# Altium PCB 1-quilter-input.PcbDoc (part 3 of 4)
Units mil, origin at the board's own origin, x right, y up, seen from the top; angles counter-clockwise.
Board outline 2728 x 2217 mil, 8 copper layers (L1_PS, L2_GND_1, L3_IN1, L4_GND_2, L5_PWR_1, L6_PWR_2, L7_GND_3, L8_SS), stack 46.1 mil thick; 230 components, 327 nets, 1592 pads, 586 vias.
Unrouted connection lines stored in the file: 713.
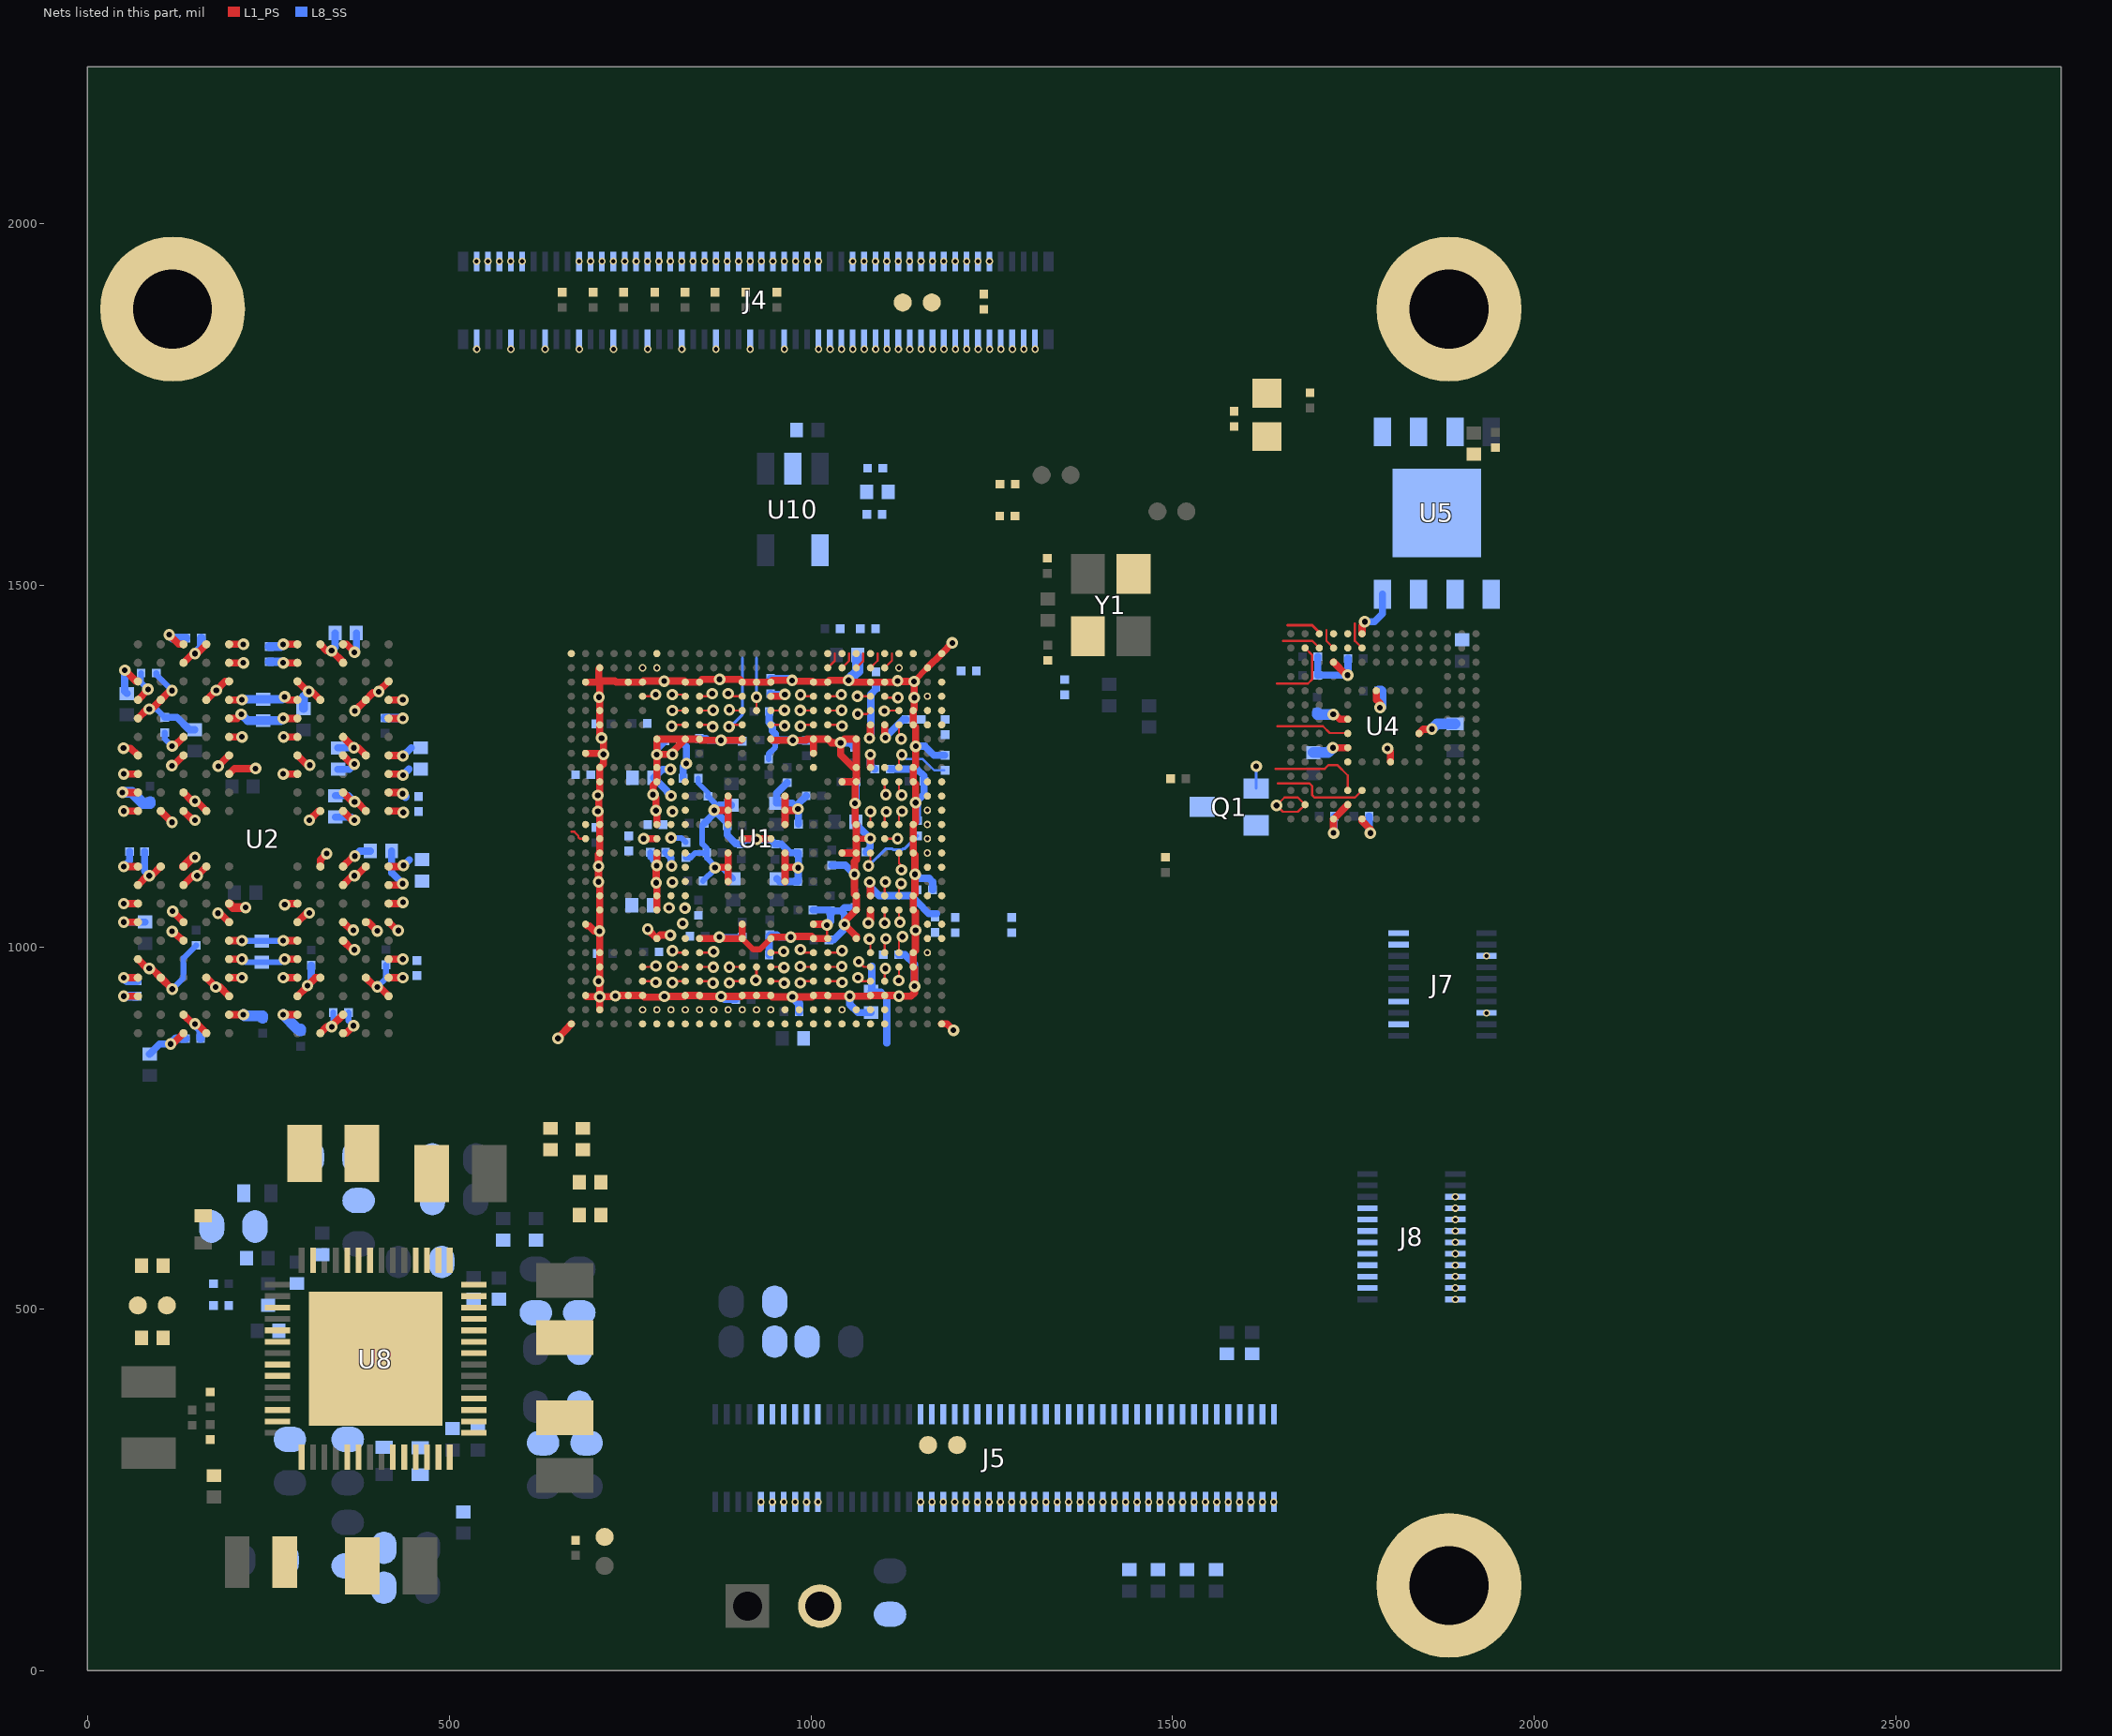
[diagram p4: the nets of this part, all layers, seen from the top]

## Via types
v1: diameter 16, hole 8, L1_PS to L8_SS, tented both sides, 329 vias
v2: diameter 10, hole 6, L1_PS to L8_SS, tented both sides, 205 vias
v3: diameter 16, hole 8, L1_PS to L8_SS, tented top, 52 vias

## Nets (pads, with @x,y where several pads share a name; then routed paths per layer and width w, separated by ;. In a path a pad name is that pad's centre, name@x,y a point inside that pad or via, vN(x,y) a via of type N, cw(c..) or ccw(c..) an arc to the next point about the centre after c; other vN are vias at no path point) (continued)
GND: BH1.1 BH2.1 BH3.1 C1.2 C2.2 C3.2 C5.2 C6.2 C8.2 C9.2 C10.2 C11.2 C12.2 C13.2 C15.2 C16.2 C17.2 C20.2 C21.2 C23.2 C30.2 C33.2 C35.2 C36.2 C48.2 C54.2 C55.2 C61.2 C65.2 C74.2 C78.2 C88.2 C89.2 C90.2 C91.2 C92.2 C93.2 C94.2 C95.2 C99.2 C100.2 C101.2 C104.2 C105.2 C106.2 C108.2 C109.2 C110.2 C111.2 C112.2 C113.2 C114.2 C115.2 C117.2 C118.2 C119.2 C123.2 C124.2 C127.2 C128.2 C129.2 C130.2 C131.2 C132.2 C133.2 C136.2 C137.2 C138.2 C139.2 C234.1 C235.2 C241.2 C244.2 C245.2 C247.2 C248.2 C251.2 C253.2 C254.2 C255.2 C256.2 C260.2 C264.2 C265.2 C266.2 C267.2 C268.2 C275.2 C279.1 C281.1 C283.2 C285.2 C287.2 C295.1 C298.2 C299.2 C301.1 C303.2 C304.2 C306.1 C307.1 C311.2 C312.2 C316.1 C317.2 C323.1 C324.2 C333.2 C337.2 C360.2 C363.2 C365.2 C370.2 C371.2 C372.2 C373.2 C374.2 C375.2 C376.2 C378.2 C379.2 C380.2 C381.2 C382.2 C384.2 C391.2 C392.2 C393.2 C394.2 C400.2 C401.1 C402.1 C403.2 C404.2 C405.2 C406.2 C407.1 C408.2 C410.2 J4.1 J4.7 J4.8 J4.13 J4.19 J4.20 J4.25 J4.31 J4.32 J4.37 J4.43 J4.44 J4.49 J4.55 J4.61 J4.67 J4.68 J4.73 J4.79 J4.80 J4.87 J4.92 J4.97 J5.9 J5.10 J5.11 J5.12 J5.13 J5.14 J5.15 J5.16 J5.17 J5.18 J5.19 J5.20 J5.47 J5.48 J5.60 J5.61 J5.72 J5.75 J5.84 J5.89 J5.96 J6.2 J7.3 J7.6 J7.7 J7.16 J7.17 J8.9 J8.10 J8.19 J8.20 Q1.2 R4.1 R7.1 R18.2 R23.2 R28.2 R29.2 R30.2 R103.2 R121.1 R122.1 R123.1 R124.1 R135.2 U1.A1 U1.A27 U1.AA7 U1.AA9 U1.AA10 U1.AA13 U1.AA15 U1.AA18 U1.AA19 U1.AA21 U1.AB3 U1.AB25 U1.AC3 U1.AC25 U1.AE2 U1.AE5 U1.AE6 U1.AE9 U1.AE10 U1.AE13 U1.AE14 U1.AE15 U1.AE18 U1.AE19 U1.AE22 U1.AE23 U1.AF3 U1.AG1 U1.AG27 U1.B3 U1.B26 U1.C2 U1.C5 U1.C6 U1.C9 U1.C10 U1.C13 U1.C14 U1.C15 U1.C18 U1.C19 U1.C22 U1.C23 U1.E3 U1.E25 U1.F3 U1.F25 U1.G7 U1.G9 U1.G10 U1.G13 U1.G15 U1.G18 U1.G19 U1.G21 U1.H2 U1.H18 U1.J3 U1.J7 U1.J21 U1.J25 U1.K3 U1.K7 U1.K20 U1.K21 U1.K25 U1.L12 U1.L16 U1.M12 U1.M16 U1.N3 U1.N7 U1.N12 U1.N16 U1.N21 U1.N25 U1.P3 U1.P13 U1.P15 U1.P21 U1.P25 U1.R3 U1.R7 U1.R12 U1.R16 U1.R20 U1.R21 U1.R25 U1.T12 U1.T16 U1.U12 U1.U16 U1.V3 U1.V7 U1.V21 U1.V25 U1.W3 U1.W7 U1.W21 U1.W25 U1.Y2 U1.Y13 U1.Y18 U2.A3 U2.A10 U2.AB3 U2.AB5 U2.AB8 U2.AB10 U2.C1 U2.C5 U2.C8 U2.C12 U2.D2 U2.D4 U2.D9 U2.D11 U2.E1 U2.E5 U2.E8 U2.E12 U2.G1 U2.G3 U2.G5 U2.G8 U2.G10 U2.G12 U2.J1 U2.J3 U2.J10 U2.J12 U2.K2 U2.K4 U2.K9 U2.K11 U2.N2 U2.N4 U2.N9 U2.N11 U2.P1 U2.P3 U2.P10 U2.P12 U2.T1 U2.T3 U2.T5 U2.T8 U2.T10 U2.T12 U2.V1 U2.V5 U2.V8 U2.V12 U2.W2 U2.W4 U2.W9 U2.W11 U2.Y1 U2.Y5 U2.Y8 U2.Y12 U4.A6 U4.C4 U4.E7 U4.G5 U4.H10 U4.J5 U4.K8 U4.N2 U4.N5 U4.P4 U4.P6 U5.4 U5.9 U8.5 U8.43 U8.57 U10.2 U10.4 Y1.2 Y1.4 | length 7886.3
  L1_PS w3: v1(1022.22,1030.58) 1022.22,1013.19 U1.AA19@1023.31,1012.1 ; v1(1643.48,1195.93) 1654.45,1206.9 1673,1206.9 U4.N2@1682.91,1196.99 1673.04,1187.12 1652.29,1187.12 v1(1643.48,1195.93)
  L1_PS w8: U1.AA13@905.21,1012.1 920.18,997.13 929.6,997.13 U1.AA15@944.57,1012.1 ; U1.P21@1062.69,1149.9 1081.68,1149.9 v1(1082.08,1150.3) ; v1(1142.66,1367.21) 1142.66,1367.67 U1.B26@1161.11,1386.12
  L1_PS w10: v1(48.68,1213.88) U2.P12@70.1,1213.88 ; v1(50.08,1275.14) 60.02,1275.14 U2.T12@70.1,1265.06 ; v1(50.41,932.38) U2.C12@70.1,932.38 ; v1(50.41,1034.74) U2.G12@70.1,1034.74 ; v1(51.89,1382.9) 67.37,1367.42 U2.Y12@70.1,1367.42 ; U2.E12@70.1,983.56 82.89,970.77 v1(85.85,970.77) 88.8,970.77 U2.D11@101.6,957.97 v3(117.5,942.07) ; U2.J12@70.1,1085.92 82.9,1098.72 v1(85.85,1098.72) 88.81,1098.72 U2.K11@101.6,1111.51 ; U2.V12@70.1,1316.24 82.89,1329.03 v1(85.85,1329.03) 88.8,1329.03 U2.W11@101.6,1341.83 114.31,1354.54 v3(117.22,1354.54) ; U2.N11@101.6,1188.29 v1(117.15,1172.74) ; v3(113.36,1431.9) 126.66,1418.6 U2.AB10@133.09,1418.6 ; v3(115.25,866.3) 118.19,866.3 U2.A10@133.09,881.2 ; v1(117.01,1250.89) 118.92,1250.89 U2.T10@133.09,1265.06 ; v1(118.03,1049.8) U2.G10@133.09,1034.74 ; U2.J10@133.09,1085.92 145.89,1098.72 v3(151.8,1098.72) U2.K9@164.59,1111.51 ; U2.P10@133.09,1213.88 145.07,1201.9 v3(148.89,1201.9) 149.71,1201.08 151.8,1201.08 U2.N9@164.59,1188.29 ; U2.W9@164.59,1341.83 177.64,1354.88 v3(178.41,1354.88) 190.95,1367.42 U2.Y8@196.09,1367.42 ; U2.D9@164.59,957.97 v3(177.64,945) ; v3@177.64,944.92 183.55,944.92 U2.C8@196.09,932.38 ; v1(180.76,1047.08) 183.75,1047.08 U2.G8@196.09,1034.74 ; v1(181.19,1250.16) U2.T8@196.09,1265.06 ; U2.E8@196.09,983.56 v1(213.84,983.56) ; U2.V8@196.09,1316.24 207.26,1316.24 v1(212.92,1321.9) ; U2.AB8@196.09,1418.6 v1(215.77,1418.6) ; v1(270.89,1316.24) U2.V5@290.57,1316.24 ; v1(270.89,1418.6) U2.AB5@290.57,1418.6 ; v1(272.82,983.56) U2.E5@290.57,983.56 ; U2.C5@290.57,932.38 304.47,946.28 v3(304.47,946.93) 315.51,957.97 U2.D4@322.07,957.97 ; U2.G5@290.57,1034.74 303.2,1047.37 v1(306.97,1047.37) ; U2.T5@290.57,1265.06 303.89,1251.74 v1(307.68,1251.74) ; U2.Y5@290.57,1367.42 304.59,1353.4 v3(306.19,1353.4) 310.5,1353.4 U2.W4@322.07,1341.83 ; v1(307,1175.49) 319.8,1188.29 U2.N4@322.07,1188.29 ; U2.K4@322.07,1111.51 322.07,1120.67 v1(330.86,1129.46) ; U2.A3@353.57,881.2 357.68,881.2 v1(368.01,891.53) ; U2.G3@353.57,1034.74 364.78,1023.53 v1(367.87,1023.53) ; U2.J3@353.57,1085.92 366.37,1098.72 v3(369.3,1098.72) 372.27,1098.72 U2.K2@385.06,1111.51 ; U2.P3@353.57,1213.88 366.37,1201.08 369.4,1201.08 v3(369.5,1200.98) 372.37,1200.98 U2.N2@385.06,1188.29 ; U2.T3@353.57,1265.06 365.56,1253.07 v1(369.24,1253.07) ; U2.AB3@353.57,1418.6 358.23,1418.6 v1(369.25,1407.58) ; v3(369.86,1326.63) U2.W2@385.06,1341.83 394.92,1351.69 398.24,1351.69 399.76,1353.21 v1(402.89,1353.21) 402.89,1353.75 U2.Y1@416.56,1367.42 ; U2.D2@385.06,957.97 397.85,945.18 v1(400.81,945.18) 403.76,945.18 U2.C1@416.56,932.38 ; U2.E1@416.56,983.56 v1(436.24,983.56) ; U2.G1@416.56,1034.74 428.23,1023.07 429.86,1023.07 v1(429.9,1023.03) ; U2.J1@416.56,1085.92 434.24,1085.92 v3(436.06,1087.74) ; U2.P1@416.56,1213.88 434.24,1213.88 v3(436.06,1212.06) ; U2.T1@416.56,1265.06 435.61,1265.06 v1(436.35,1264.32) ; U2.V1@416.56,1316.24 v1(436.24,1316.24) ; v1(650.54,874.07) U1.AG1@668.98,893.99 ; U1.H2@688.67,1268.01 712.03,1268.01 v1(713.39,1266.65) ; U1.C2@688.67,1366.44 705.29,1366.44 706.77,1367.92 ; U1.AE2@690.5,931.53 v1(708.21,931.53) ; U1.Y2@691.1,1029.36 693.62,1029.36 700.76,1022.22 v1(707.81,1022.22) ; v1(707.31,1345.6) v1@708.35,1344.56 ; U1.AF3@708.35,913.68 708.21,913.82 v1(708.21,931.53) ; U1.B3@708.35,1386.12 706.77,1384.54 706.77,1367.92 ; v1(774.61,1024.87) 774.61,1024.58 U1.AA7@787.09,1012.1 791.72,1016.73 v1(805.89,1016.73) ; U1.W7@787.09,1051.48 U1.V7@787.09,1071.16 787.09,1088.14 v1(786.24,1088.99) 786.24,1112.05 v1(787.09,1112.9) U1.R7@787.09,1130.22 ; U1.N7@787.09,1169.58 787.09,1187.7 v1(785.89,1188.9) 785.89,1206.9 v1(781.89,1210.9) 781.89,1223.44 U1.K7@787.09,1228.64 U1.J7@787.09,1248.32 v1(787.09,1266.17) ; U1.AA10@846.15,1012.1 871.44,1012.1 v1(873.5,1014.16) 875.56,1012.1 U1.AA13@905.21,1012.1 U1.Y13@905.21,1031.79 ; v1(866.44,1189.27) U1.M12@885.52,1189.27 ; v1(867.54,1109.96) 868.11,1110.53 U1.T12@885.52,1110.53 ; U1.U12@885.52,1090.84 U1.T12@885.52,1110.53 ; U1.R12@885.52,1130.22 U1.T12@885.52,1110.53 ; U1.N12@885.52,1169.58 U1.M12@885.52,1189.27 ; U1.L12@885.52,1208.96 U1.M12@885.52,1189.27 ; U1.P13@905.21,1149.9 924.23,1149.9 v1(925.04,1149.09) 925.85,1149.9 U1.P15@944.57,1149.9 ; U1.G13@905.21,1287.7 903.55,1286.04 v1(875.81,1286.04) 847.81,1286.04 U1.G10@846.15,1287.7 U1.G9@826.47,1287.7 ; U1.AA15@944.57,1012.1 946.35,1013.88 v1(972.2,1013.88) 973.2,1014.88 1000.85,1014.88 U1.AA18@1003.63,1012.1 U1.AA19@1023.31,1012.1 ; U1.G15@944.57,1287.7 946.39,1285.88 v1(974.96,1285.88) 992.84,1285.88 994.66,1287.7 U1.G18@1003.63,1287.7 ; U1.U16@964.26,1090.84 U1.T16@964.26,1110.53 ; U1.R16@964.26,1130.22 U1.T16@964.26,1110.53 ; U1.N16@964.26,1169.58 U1.M16@964.26,1189.27 ; U1.L16@964.26,1208.96 U1.M16@964.26,1189.27 ; v1(982.18,1191.15) 980.3,1189.27 U1.M16@964.26,1189.27 ; v1(982.4,1109.84) 981.71,1110.53 U1.T16@964.26,1110.53 ; U1.Y18@1003.63,1031.79 1021.01,1031.79 v1(1022.22,1030.58) ; U1.H18@1003.63,1268.01 U1.G18@1003.63,1287.7 ; U1.R20@1043,1130.22 U1.R21@1062.69,1130.22 ; U1.K20@1043,1228.64 U1.K21@1062.69,1228.64 ; U1.AA21@1062.69,1012.1 1062.69,1015.3 v1(1046.43,1031.56) 1046.43,1035.22 U1.W21@1062.69,1051.48 U1.V21@1062.69,1071.16 1060.27,1073.57 v1(1060.27,1100.65) 1060.27,1118.35 1062.69,1120.77 U1.R21@1062.69,1130.22 ; 1144.37,1007.92 1144.37,995.36 U1.AB25@1141.43,992.42 U1.AC25@1141.43,972.74 1143.26,970.9 v1(1143.26,946.08) 1143.26,937.14 1138.44,932.32 v1(1121.84,932.32) 1120.79,933.36 U1.AE23@1102.05,933.36 U1.AE22@1082.37,933.36 1081.25,932.27 v1(1053.8,932.27) 1024.4,932.27 U1.AE19@1023.31,933.36 U1.AE18@1003.63,933.36 1001.78,931.51 v1(974.35,931.51) 946.43,931.51 U1.AE15@944.57,933.36 U1.AE14@924.89,933.36 U1.AE13@905.21,933.36 903.93,932.09 876.14,932.09 v1(876.04,931.99) 875.94,932.09 847.43,932.09 U1.AE10@846.15,933.36 U1.AE9@826.47,933.36 825.04,931.94 v1(797.52,931.94) 796.56,930.98 769.79,930.98 U1.AE6@767.41,933.36 U1.AE5@747.73,933.36 730.65,933.36 v1(729.89,932.6) 728.82,931.53 v1(708.21,931.53) ; 1144.4,1007.95 1144.4,1022.32 1144.68,1022.6 v1(1144.68,1023.33) 1144.68,1025.06 1144.37,1025.37 1144.37,1048.53 U1.W25@1141.43,1051.48 U1.V25@1141.43,1071.16 1143.89,1073.62 v1(1143.89,1100.69) 1143.89,1127.75 U1.R25@1141.43,1130.22 U1.P25@1141.43,1149.9 U1.N25@1141.43,1169.58 1144.67,1172.83 v1(1144.67,1199.77) 1144.67,1225.4 U1.K25@1141.43,1228.64 U1.J25@1141.43,1248.32 1144.93,1251.82 v1(1144.93,1277.76) 1144.93,1303.88 U1.F25@1141.43,1307.38 U1.E25@1141.43,1327.06 1142.96,1328.59 v1(1142.96,1344.93) 1142.96,1366.91 v1(1142.66,1367.21) 1120.68,1367.21 v1(1119.86,1368.03) 1118.27,1366.44 U1.C23@1102.05,1366.44 U1.C22@1082.37,1366.44 1054.72,1366.44 v1(1052.24,1368.92) 1025.79,1368.92 U1.C19@1023.31,1366.44 U1.C18@1003.63,1366.44 1002.39,1367.68 975.18,1367.68 v1(974.11,1368.75) 946.89,1368.75 U1.C15@944.57,1366.44 U1.C14@924.89,1366.44 U1.C13@905.21,1366.44 901.51,1370.14 v1(873.8,1370.14) 849.85,1370.14 U1.C10@846.15,1366.44 U1.C9@826.47,1366.44 825.09,1367.81 v1(797.23,1367.81) 768.78,1367.81 U1.C6@767.41,1366.44 U1.C5@747.73,1366.44 730.92,1366.44 729.11,1368.25 728.78,1367.92 706.77,1367.92 ; U1.B26@1161.11,1386.12 U1.A27@1180.8,1405.81 v1(1195.49,1420.5) ; U1.AG27@1180.8,893.99 1188.24,893.99 v1(1197.01,885.22) ; v1(1721.33,1275.73) U4.J5@1741.97,1275.73 ; v1(1721.96,1321.79) 1724.27,1321.79 1730.96,1315.1 U4.G5@1741.97,1315.1 ; v1(1722.28,1157.86) U4.P4@1722.28,1177.31 U4.N5@1741.97,1196.99 ; U4.C4@1722.28,1393.84 1740.13,1375.99 v1(1741.72,1375.99) ; U4.P6@1761.65,1177.31 1761.65,1174.61 1773.14,1163.12 v1(1773.14,1157.71) ; U4.A6@1761.65,1433.21 1761.65,1444.35 1765.41,1448.11 v1(1765.41,1449.79) ; U4.E7@1781.34,1354.47 1781.34,1342.08 1786.48,1336.94 v1(1786.48,1331.16) ; v1(1796.79,1274.61) 1801.02,1270.38 U4.K8@1801.02,1256.05 ; U4.H10@1840.39,1295.42 1846.27,1301.3 1857.95,1301.3 v1(1858.22,1301.57) ; 706.77,1367.92 708.35,1366.34 v1@708.35,1344.56 ; v1(707.81,1022.22) 708.35,1021.68 U1.AB3@708.35,992.42 U1.AC3@708.35,972.74 708.35,954.97 v1(706.55,953.17) 708.21,951.51 v1(708.21,931.53) ; v1(707.81,1022.22) 708.35,1022.76 U1.W3@708.35,1051.48 U1.V3@708.35,1071.16 708.35,1085.47 706.86,1086.96 706.86,1088.51 706.64,1088.73 706.64,1090.24 v1(706.52,1090.36) v1(706.52,1111.9) 706.52,1128.39 U1.R3@708.35,1130.22 U1.P3@708.35,1149.9 U1.N3@708.35,1169.58 708.35,1185.17 v1(705.62,1187.9) 706.89,1189.17 706.89,1208.7 v1(705.65,1209.94) 708.35,1212.64 U1.K3@708.35,1228.64 U1.J3@708.35,1248.32 713.39,1253.36 v1(713.39,1266.65) ; v1@708.35,1344.56 U1.E3@708.35,1327.06 U1.F3@708.35,1307.38 708.35,1291.57 v1(710.84,1289.08) 713.39,1286.53 v1(713.39,1266.65) ; v1(787.09,1266.17) U1.G7@787.09,1287.7 U1.G9@826.47,1287.7 ; v1(787.09,1266.17) 787.47,1266.55 v1(808.81,1266.55) 808.81,1270.04 U1.G9@826.47,1287.7 ; U1.G18@1003.63,1287.7 U1.G19@1023.31,1287.7 1028.49,1282.52 v1(1041.12,1282.52) ; v1(1041.12,1282.52) 1041.12,1265.89 1058.69,1248.32 U1.J21@1062.69,1248.32 ; v1(1041.12,1282.52) 1046.3,1287.7 U1.G21@1062.69,1287.7 U1.J21@1062.69,1248.32 ; U1.R21@1062.69,1130.22 U1.P21@1062.69,1149.9 U1.N21@1062.69,1169.58 1061.04,1171.23 v1(1061.04,1198.96) 1061.04,1226.99 U1.K21@1062.69,1228.64 ; U1.K21@1062.69,1228.64 U1.J21@1062.69,1248.32
  L8_SS w7: C95.2@844.4,1233.61 844.4,1226.95 857.78,1213.57 C78.2@857.78,1208.61
  L8_SS w8: v1(85.85,1329.03) 95.97,1329.03 C375.2@107.2,1317.8 ; C373.2@95.4,1378.9 95.4,1376.36 v3(117.22,1354.54) ; v3(117.5,942.07) 132.89,957.46 132.89,963.66 133.17,963.94 133.17,977.2 132.89,977.48 132.89,984.8 C372.2@150.6,1002.51 ; v1(213.84,983.56) 218.26,979.14 C115.2@241.39,979.14 268.4,979.14 v1(272.82,983.56) ; C379.2@361.08,909.56 361.08,898.46 v1(368.01,891.53) ; v1(400.81,945.18) 412.78,957.15 C370.2@412.78,975.73 ; v1(436.24,983.56) v1@438.11,981.69 ; C93.2@778.2,1131.11 778.2,1124.53 780.89,1121.84 780.89,1120.95 787.09,1114.75 v1(787.09,1112.9) ; C90.2@827.25,1123.9 833.89,1123.9 840.4,1130.41 C54.2@856.31,1130.41 ; C61.2@850.96,1091.56 867.54,1108.14 v1(867.54,1109.96) ; C74.2@852.92,1171.19 849.89,1168.16 849.89,1142.91 856.31,1136.49 C54.2@856.31,1130.41 ; C78.2@857.78,1208.61 866.44,1199.95 v1(866.44,1189.27) ; v1(873.5,1014.16) 873.8,1013.86 C251.2@905.13,1013.86 ; v1(875.81,1286.04) 877.02,1284.83 C5.2@905,1284.83 ; C55.2@892.54,1094.69 877.27,1109.96 v1(867.54,1109.96) ; C65.2@941.7,1259.62 941.7,1267.45 950.8,1276.55 C1.2@950.8,1286.45 ; C54.2@856.31,1130.41 856.31,1123.27 867.54,1112.04 v1(867.54,1109.96)
  L8_SS w10: v1@50.43,1034.76 C266.2@80,1034.76 ; v1(51.89,1382.9) 51.89,1353.66 C106.2@54.89,1350.66 ; C374.2@79.47,1132.26 79.47,1105.1 v1(85.85,1098.72) ; C105.2@86.19,852.36 100.13,866.3 v3(115.25,866.3) ; C375.2@107.2,1317.8 123.99,1317.8 141.2,1300.59 C108.2@148.58,1300.59 ; v3(304.47,946.93) 309.5,951.96 C371.2@309.5,975.12 ; C111.2@343,1209.41 360.98,1209.41 369.41,1200.98 v3(369.5,1200.98) ; C118.2@346.54,1245.92 362.09,1245.92 v1(369.24,1253.07) ; v1(369.25,1407.58) 371.99,1410.32 C112.2@371.99,1434.05 ; C117.2@420.65,1132.9 420.65,1103.15 v3(436.06,1087.74) ; v1(436.35,1264.32) 447.69,1275.66 ; v1(787.09,1266.17) 787.09,1273.61 C94.2@798.38,1284.9 ; C8.2@845.89,1288.41 855.38,1288.41 857.75,1286.04 v1(875.81,1286.04) ; C74.2@852.92,1171.19 866.44,1184.71 v1(866.44,1189.27) ; v1(876.04,931.99) 876.29,931.99 880.52,927.76 C21.2@896.42,927.76 ; C20.2@890.07,1196.26 873.43,1196.26 v1(866.44,1189.27) ; C99.2@942.3,989.41 942.3,1016.01 C36.2@943.44,1017.15 953.2,1017.15 956.47,1013.88 v1(972.2,1013.88) ; C100.2@942.4,1325.9 942.4,1310.62 946.21,1306.81 946.21,1304.24 946.76,1303.69 946.76,1298.86 950.8,1294.82 C1.2@950.8,1286.45 974.39,1286.45 v1(974.96,1285.88) 975.1,1285.74 C244.2@993.88,1285.74 ; C268.2@944.2,1371.59 971.27,1371.59 v1(974.11,1368.75) ; C33.2@953.1,1094.7 957.02,1090.78 C15.2@981.85,1090.78 982.4,1091.33 v1(982.4,1109.84) 982.69,1110.13 C255.2@982.69,1130.38 971.19,1130.38 958.92,1142.65 C253.2@950.36,1142.65 943.92,1149.09 v1(925.04,1149.09) 910.01,1149.09 C35.2@903.85,1142.93 896.36,1142.93 884.24,1155.05 C16.2@884.24,1168.18 884.24,1171.47 v1(866.44,1189.27) ; C256.2@967.36,1227.33 952.67,1212.64 C247.2@952.67,1199.1 974.23,1199.1 v1(982.18,1191.15) ; C254.2@982.67,1170.05 982.67,1190.66 v1(982.18,1191.15) ; C235.2@993.63,1209.18 982.18,1197.73 v1(982.18,1191.15) ; C248.2@1002.74,1051.61 1025.76,1051.61 C23.2@1027.15,1050.22 ; v1(1022.22,1030.58) 1027.15,1035.51 C23.2@1027.15,1050.22 ; C6.2@1024.8,1010.06 1031.57,1010.06 1046.43,1024.92 v1(1046.43,1031.56) 1046.43,1045.73 1041.94,1050.22 ; C101.2@1028.89,1113.39 1047.53,1113.39 v1(1060.27,1100.65) ; v1(1041.12,1282.52) 1053.73,1282.52 C30.2@1060.23,1276.02 ; v1(1053.8,932.27) 1053.8,920.99 1065.05,909.74 C2.2@1083.09,909.74 ; C3.2@1060.77,1054.73 1046.79,1054.73 1046.62,1054.9 1041.94,1050.22 ; v1(1061.04,1198.96) 1062.68,1200.6 C241.2@1062.68,1228.77 ; C234.1@1062.19,1173.08 1062.19,1170.19 v1(1082.08,1150.3) 1082.08,1137.48 C104.2@1076.05,1131.45 ; C391.2@1109.45,1246.02 1146.86,1246.02 1156.37,1236.51 C9.2@1156.37,1229.43 1156.37,1211.47 v1(1144.67,1199.77) 1147.38,1197.06 C245.2@1147.38,1174.92 ; C392.2@1121.2,989.7 1130.09,989.7 1143.26,976.53 v1(1143.26,946.08) ; v1(1143.89,1100.69) 1145.51,1100.69 1151.02,1095.18 1163.59,1095.18 1168.28,1090.49 C17.2@1168.28,1079.31 ; v1(1144.93,1277.76) 1157.8,1277.76 1170.15,1265.41 R103.2@1184.52,1265.41 ; C136.2@1700.4,1401.66 C137.2@1700.4,1375.66 1700.73,1375.99 v1(1741.72,1375.99) 1742.19,1376.46 C131.2@1742.19,1399.15 ; v1(1722.28,1157.86) 1723.1,1158.68 1723.1,1180.59 C133.2@1723.51,1181 ; v1(1765.41,1449.79) 1778.79,1449.79 1790,1461 U5.4@1790,1487.8 ; C132.2@1771.51,1181 1771.51,1159.34 v1(1773.14,1157.71) ; C23.2@1027.15,1050.22 1041.94,1050.22

## Text inside footprints (layer, text, board x,y; h text height)
U1: Top Overlay "A" at 621.74,1401.87 h20; Top Overlay "AG" at 594.18,882.18 h20; Top Overlay "1" at 646.97,1432.53 h20; Top Overlay "27" at 1176.86,1437.3 h20; Top Assembly "A" at 625.68,1401.87 h9.84; Top Assembly "1" at 663.55,1435.06 h9.84; Top Assembly "2" at 683.24,1435.06 h9.84; Top Assembly "3" at 702.92,1435.06 h9.84; Top Assembly "4" at 722.61,1435.06 h9.84; Top Assembly "5" at 742.29,1435.06 h9.84; Top Assembly "6" at 761.98,1435.06 h9.84; Top Assembly "7" at 781.66,1435.06 h9.84; Top Assembly "8" at 801.35,1435.06 h9.84; Top Assembly "9" at 821.03,1435.06 h9.84; Top Assembly "10" at 844.65,1431.13 h9.84; Top Assembly "11" at 864.34,1431.13 h9.84; Top Assembly "12" at 884.02,1431.13 h9.84; Top Assembly "13" at 899.77,1431.13 h9.84; Top Assembly "14" at 923.39,1431.13 h9.84; Top Assembly "15" at 943.08,1431.13 h9.84; Top Assembly "16" at 962.76,1431.13 h9.84; Top Assembly "17" at 982.45,1431.13 h9.84; Top Assembly "18" at 1002.13,1431.13 h9.84; Top Assembly "19" at 1021.82,1431.13 h9.84; Top Assembly "20" at 1041.5,1431.13 h9.84; Top Assembly "21" at 1061.19,1431.13 h9.84; Top Assembly "22" at 1080.87,1431.13 h9.84; Top Assembly "23" at 1100.56,1431.13 h9.84; Top Assembly "24" at 1120.24,1431.13 h9.84; Top Assembly "25" at 1139.93,1431.13 h9.84; Top Assembly "26" at 1159.61,1431.13 h9.84; Top Assembly "27" at 1179.3,1431.13 h9.84; Top Assembly "B" at 625.68,1382.18 h9.84; Top Assembly "C" at 625.68,1362.5 h9.84; Top Assembly "D" at 625.68,1342.81 h9.84; Top Assembly "E" at 625.68,1323.13 h9.84; Top Assembly "F" at 625.68,1303.44 h9.84; Top Assembly "G" at 625.68,1283.76 h9.84; Top Assembly "H" at 625.68,1264.07 h9.84; Top Assembly "J" at 625.68,1244.39 h9.84; Top Assembly "K" at 625.68,1224.7 h9.84; Top Assembly "L" at 625.68,1205.02 h9.84; Top Assembly "M" at 625.68,1185.33 h9.84; Top Assembly "N" at 625.68,1165.65 h9.84; Top Assembly "P" at 625.68,1145.96 h9.84; Top Assembly "R" at 625.68,1126.28 h9.84; Top Assembly "T" at 625.68,1106.59 h9.84; Top Assembly "U" at 625.68,1086.91 h9.84; Top Assembly "V" at 625.68,1067.22 h9.84; Top Assembly "W" at 625.68,1047.54 h9.84; Top Assembly "Y" at 625.68,1027.85 h9.84; Top Assembly "AA" at 625.68,1008.17 h9.84; Top Assembly "AB" at 625.68,988.48 h9.84; Top Assembly "AC" at 625.68,968.8 h9.84; Top Assembly "AD" at 625.68,949.11 h9.84; Top Assembly "AE" at 625.68,929.43 h9.84; Top Assembly "AF" at 625.68,909.74 h9.84; Top Assembly "AG" at 625.68,890.06 h9.84; Top Pin Number "F27" at 1168.99,1307.38 h9.84; Top Pin Number "E26" at 1149.3,1327.06 h9.84; Top Pin Number "E27" at 1168.99,1327.06 h9.84; Top Pin Number "A1" at 646.94,1397.93 h23.62; Top Pin Number "A27" at 1168.99,1405.81 h9.84; Top Pin Number "B3" at 700.48,1386.12 h9.84; Top Pin Number "B26" at 1149.3,1386.12 h9.84; Top Pin Number "C2" at 680.8,1366.44 h9.84; Top Pin Number "C5" at 739.86,1366.44 h9.84; Top Pin Number "C6" at 759.54,1366.44 h9.84; Top Pin Number "C9" at 818.6,1366.44 h9.84; Top Pin Number "C10" at 834.34,1366.44 h9.84; Top Pin Number "C13" at 893.4,1366.44 h9.84; Top Pin Number "C14" at 913.08,1366.44 h9.84; Top Pin Number "C15" at 932.76,1366.44 h9.84; Top Pin Number "C18" at 991.82,1366.44 h9.84; Top Pin Number "C19" at 1011.5,1366.44 h9.84; Top Pin Number "C22" at 1070.56,1366.44 h9.84; Top Pin Number "C23" at 1090.24,1366.44 h9.84; Top Pin Number "E3" at 700.48,1327.06 h9.84; Top Pin Number "E25" at 1129.62,1327.06 h9.84; Top Pin Number "F3" at 700.48,1307.38 h9.84; Top Pin Number "F25" at 1129.62,1307.38 h9.84; Top Pin Number "G7" at 779.22,1287.7 h9.84; Top Pin Number "G9" at 818.6,1287.7 h9.84; Top Pin Number "G21" at 1050.88,1287.7 h9.84; Top Pin Number "H2" at 680.8,1268.01 h9.84; Top Pin Number "J3" at 700.48,1248.32 h9.84; Top Pin Number "J25" at 1129.62,1248.32 h9.84; Top Pin Number "K3" at 700.48,1228.64 h9.84; Top Pin Number "K25" at 1129.62,1228.64 h9.84; Top Pin Number "L12" at 873.71,1208.96 h9.84; Top Pin Number "L16" at 952.45,1208.96 h9.84; Top Pin Number "N3" at 700.48,1169.58 h9.84; Top Pin Number "N12" at 873.71,1169.58 h9.84; Top Pin Number "N16" at 952.45,1169.58 h9.84; Top Pin Number "N25" at 1129.62,1169.58 h9.84; Top Pin Number "P3" at 700.48,1149.9 h9.84; Top Pin Number "P13" at 893.4,1149.9 h9.84; Top Pin Number "P15" at 932.76,1149.9 h9.84; Top Pin Number "P25" at 1129.62,1149.9 h9.84; Top Pin Number "R3" at 700.48,1130.22 h9.84; Top Pin Number "R12" at 873.71,1130.22 h9.84; Top Pin Number "R16" at 952.45,1130.22 h9.84; Top Pin Number "R25" at 1129.62,1130.22 h9.84; Top Pin Number "U12" at 873.71,1090.84 h9.84; Top Pin Number "U16" at 952.45,1090.84 h9.84; Top Pin Number "V3" at 700.48,1071.16 h9.84; Top Pin Number "V25" at 1129.62,1071.16 h9.84; Top Pin Number "W3" at 700.48,1051.48 h9.84; Top Pin Number "W25" at 1129.62,1051.48 h9.84; Top Pin Number "Y2" at 680.8,1031.79 h9.84; Top Pin Number "AA7" at 775.28,1012.1 h9.84; Top Pin Number "AA21" at 1046.95,1012.1 h9.84; Top Pin Number "AB3" at 696.54,992.42 h9.84; Top Pin Number "AB25" at 1125.69,992.42 h9.84; Top Pin Number "AC3" at 696.54,972.74 h9.84; Top Pin Number "AC25" at 1125.69,972.74 h9.84; Top Pin Number "AE2" at 676.86,933.36 h9.84; Top Pin Number "AE5" at 735.92,933.36 h9.84; Top Pin Number "AE6" at 755.6,933.36 h9.84; Top Pin Number "AE9" at 814.66,933.36 h9.84; Top Pin Number "AE10" at 830.41,933.36 h9.84; Top Pin Number "AE13" at 889.47,933.36 h9.84; Top Pin Number "J4" at 720.17,1248.32 h9.84; Top Pin Number "AF4" at 716.23,913.68 h9.84; Top Pin Number "E1" at 661.11,1327.06 h9.84; Top Pin Number "AG26" at 1145.37,893.99 h9.84; Top Pin Number "B5" at 739.86,1386.12 h9.84; Top Pin Number "D2" at 680.8,1346.75 h9.84; Top Pin Number "AD2" at 676.86,953.05 h9.84; Top Pin Number "F5" at 739.86,1307.38 h9.84; Top Pin Number "W22" at 1070.56,1051.48 h9.84; Top Pin Number "L1" at 661.11,1208.96 h9.84; Top Pin Number "AF1" at 657.17,913.68 h9.84; Top Pin Number "B2" at 680.8,1386.12 h9.84; Top Pin Number "V1" at 661.11,1071.16 h9.84; Top Pin Number "B4" at 720.17,1386.12 h9.84; Top Pin Number "D9" at 818.6,1346.75 h9.84; Top Pin Number "AD1" at 657.17,953.05 h9.84; Top Pin Number "Y1" at 661.11,1031.79 h9.84; Top Pin Number "J1" at 661.11,1248.32 h9.84; Top Pin Number "E4" at 720.17,1327.06 h9.84; Top Pin Number "F4" at 720.17,1307.38 h9.84; Top Pin Number "K1" at 661.11,1228.64 h9.84; Top Pin Number "AA2" at 676.86,1012.1 h9.84; Top Pin Number "T26" at 1149.3,1110.53 h9.84; Top Pin Number "J6" at 759.54,1248.32 h9.84; Top Pin Number "T27" at 1168.99,1110.53 h9.84; Top Pin Number "W2" at 680.8,1051.48 h9.84; Top Pin Number "AG5" at 735.92,893.99 h9.84; Top Pin Number "D1" at 661.11,1346.75 h9.84; Top Pin Number "R27" at 1168.99,1130.22 h9.84; Top Pin Number "A2" at 680.8,1405.81 h9.84; Top Pin Number "R26" at 1149.3,1130.22 h9.84; Top Pin Number "AC2" at 676.86,972.74 h9.84; Top Pin Number "W1" at 661.11,1051.48 h9.84; Top Pin Number "AF5" at 735.92,913.68 h9.84; Top Pin Number "E6" at 759.54,1327.06 h9.84; Top Pin Number "R5" at 739.86,1130.22 h9.84; Top Pin Number "A8" at 798.91,1405.81 h9.84; Top Pin Number "AB2" at 676.86,992.42 h9.84; Top Pin Number "B8" at 798.91,1386.12 h9.84; Top Pin Number "R1" at 661.11,1130.22 h9.84; Top Pin Number "A5" at 739.86,1405.81 h9.84; Top Pin Number "V6" at 759.54,1071.16 h9.84; Top Pin Number "A4" at 720.17,1405.81 h9.84; Top Pin Number "W26" at 1149.3,1051.48 h9.84; Top Pin Number "B1" at 661.11,1386.12 h9.84; Top Pin Number "J2" at 680.8,1248.32 h9.84; Top Pin Number "R23" at 1090.24,1130.22 h9.84; Top Pin Number "C1" at 661.11,1366.44 h9.84; Top Pin Number "V4" at 720.17,1071.16 h9.84; Top Pin Number "W6" at 759.54,1051.48 h9.84; Top Pin Number "N5" at 739.86,1169.58 h9.84; Top Pin Number "AD19" at 1007.57,953.05 h9.84; Top Pin Number "E10" at 834.34,1327.06 h9.84; Top Pin Number "AG8" at 794.97,893.99 h9.84; Top Pin Number "A25" at 1129.62,1405.81 h9.84; Top Pin Number "AG7" at 775.28,893.99 h9.84; Top Pin Number "AC9" at 814.66,972.74 h9.84; Top Pin Number "AC24" at 1106,972.74 h9.84; Top Pin Number "AF8" at 794.97,913.68 h9.84; Top Pin Number "AB22" at 1066.63,992.42 h9.84; Top Pin Number "AF7" at 775.28,913.68 h9.84; Top Pin Number "AD9" at 814.66,953.05 h9.84; Top Pin Number "F10" at 834.34,1307.38 h9.84; Top Pin Number "AF10" at 830.41,913.68 h9.84; Top Pin Number "F2" at 680.8,1307.38 h9.84; Top Pin Number "AF19" at 1007.57,913.68 h9.84; Top Pin Number "AC6" at 755.6,972.74 h9.84; Top Pin Number "AG10" at 830.41,893.99 h9.84; Top Pin Number "AA1" at 657.17,1012.1 h9.84; Top Pin Number "AD18" at 987.89,953.05 h9.84; Top Pin Number "AF6" at 755.6,913.68 h9.84; Top Pin Number "AD10" at 830.41,953.05 h9.84; Top Pin Number "AF22" at 1066.63,913.68 h9.84; Top Pin Number "AF11" at 850.09,913.68 h9.84; Top Pin Number "AB4" at 716.23,992.42 h9.84; Top Pin Number "AG20" at 1027.26,893.99 h9.84; Top Pin Number "AG11" at 850.09,893.99 h9.84; Top Pin Number "K6" at 759.54,1228.64 h9.84; Top Pin Number "AB10" at 830.41,992.42 h9.84; Top Pin Number "AF9" at 814.66,913.68 h9.84; Top Pin Number "AF2" at 676.86,913.68 h9.84; Top Pin Number "AB9" at 814.66,992.42 h9.84; Top Pin Number "A3" at 700.48,1405.81 h9.84; Top Pin Number "AG9" at 814.66,893.99 h9.84; Top Pin Number "AE1" at 657.17,933.36 h9.84; Top Pin Number "AC10" at 830.41,972.74 h9.84; Top Pin Number "AG3" at 696.54,893.99 h9.84; Top Pin Number "W4" at 720.17,1051.48 h9.84; Top Pin Number "AF25" at 1125.69,913.68 h9.84; Top Pin Number "AG25" at 1125.69,893.99 h9.84; Top Pin Number "AF26" at 1145.37,913.68 h9.84; Top Pin Number "AG24" at 1106,893.99 h9.84; Top Pin Number "AB27" at 1165.06,992.42 h9.84; Top Pin Number "G26" at 1149.3,1287.7 h9.84; Top Pin Number "D23" at 1090.24,1346.75 h9.84; Top Pin Number "P1" at 661.11,1149.9 h9.84; Top Pin Number "F18" at 991.82,1307.38 h9.84; Top Pin Number "D22" at 1070.56,1346.75 h9.84; Top Pin Number "P2" at 680.8,1149.9 h9.84; Top Pin Number "N19" at 1011.5,1169.58 h9.84; Top Pin Number "P5" at 739.86,1149.9 h9.84; Top Pin Number "P19" at 1011.5,1149.9 h9.84; Top Pin Number "R19" at 1011.5,1130.22 h9.84; Top Pin Number "G14" at 913.08,1287.7 h9.84; Top Pin Number "H13" at 893.4,1268.01 h9.84; Top Pin Number "H15" at 932.76,1268.01 h9.84; Top Pin Number "N20" at 1031.19,1169.58 h9.84; Top Pin Number "Y15" at 932.76,1031.79 h9.84; Top Pin Number "AA14" at 909.15,1012.1 h9.84; Top Pin Number "D19" at 1011.5,1346.75 h9.84; Top Pin Number "AB19" at 1007.57,992.42 h9.84; Top Pin Number "AG22" at 1066.63,893.99 h9.84; Top Pin Number "AG18" at 987.89,893.99 h9.84; Top Pin Number "AG16" at 948.52,893.99 h9.84; Top Pin Number "AF20" at 1027.26,913.68 h9.84; Top Pin Number "AF16" at 948.52,913.68 h9.84; Top Pin Number "AC22" at 1066.63,972.74 h9.84; Top Pin Number "G27" at 1168.99,1287.7 h9.84; Top Pin Number "AF18" at 987.89,913.68 h9.84; Top Pin Number "R13" at 893.4,1130.22 h9.84; Top Pin Number "R15" at 932.76,1130.22 h9.84; Top Pin Number "T13" at 893.4,1110.53 h9.84; Top Pin Number "T15" at 932.76,1110.53 h9.84; Top Pin Number "U13" at 893.4,1090.84 h9.84; Top Pin Number "U15" at 932.76,1090.84 h9.84; Top Pin Number "V13" at 893.4,1071.16 h9.84; Top Pin Number "V15" at 932.76,1071.16 h9.84; Top Pin Number "V16" at 952.45,1071.16 h9.84; Top Pin Number "W13" at 893.4,1051.48 h9.84; Top Pin Number "W14" at 913.08,1051.48 h9.84; Top Pin Number "W15" at 932.76,1051.48 h9.84; Top Pin Number "W16" at 952.45,1051.48 h9.84; Top Pin Number "T14" at 913.08,1110.53 h9.84; Top Pin Number "AF17" at 968.21,913.68 h9.84; Top Pin Number "AF23" at 1086.31,913.68 h9.84; Top Pin Number "AF15" at 928.83,913.68 h9.84; Top Pin Number "A7" at 779.22,1405.81 h9.84; Top Pin Number "J26" at 1149.3,1248.32 h9.84; Top Pin Number "B6" at 759.54,1386.12 h9.84; Top Pin Number "AG21" at 1046.95,893.99 h9.84; Top Pin Number "AC19" at 1007.57,972.74 h9.84; Top Pin Number "H26" at 1149.3,1268.01 h9.84; Top Pin Number "AG15" at 928.83,893.99 h9.84; Top Pin Number "C27" at 1168.99,1366.44 h9.84; Top Pin Number "AG19" at 1007.57,893.99 h9.84; Top Pin Number "AG17" at 968.21,893.99 h9.84; Top Pin Number "AF12" at 869.78,913.68 h9.84; Top Pin Number "AC18" at 987.89,972.74 h9.84; Top Pin Number "AE27" at 1165.06,933.36 h9.84; Top Pin Number "AF14" at 909.15,913.68 h9.84; Top Pin Number "AF21" at 1046.95,913.68 h9.84; Top Pin Number "AD6" at 755.6,953.05 h9.84; Top Pin Number "N8" at 798.91,1169.58 h9.84; Top Pin Number "P7" at 779.22,1149.9 h9.84; Top Pin Number "R8" at 798.91,1130.22 h9.84; Top Pin Number "V8" at 798.91,1071.16 h9.84; Top Pin Number "K19" at 1011.5,1228.64 h9.84; Top Pin Number "W17" at 972.14,1051.48 h9.84; Top Pin Number "W18" at 991.82,1051.48 h9.84; Top Pin Number "H10" at 834.34,1268.01 h9.84; Top Pin Number "Y10" at 834.34,1031.79 h9.84; Top Pin Number "D6" at 759.54,1346.75 h9.84; Top Pin Number "E14" at 913.08,1327.06 h9.84; Top Pin Number "B7" at 779.22,1386.12 h9.84; Top Pin Number "E9" at 818.6,1327.06 h9.84; Top Pin Number "V26" at 1149.3,1071.16 h9.84; Top Pin Number "V27" at 1168.99,1071.16 h9.84; Top Pin Number "AA26" at 1145.37,1012.1 h9.84; Top Pin Number "V23" at 1090.24,1071.16 h9.84; Top Pin Number "Y27" at 1168.99,1031.79 h9.84; Top Pin Number "V24" at 1109.93,1071.16 h9.84; Top Pin Number "W24" at 1109.93,1051.48 h9.84; Top Pin Number "AC27" at 1165.06,972.74 h9.84; Top Pin Number "Y26" at 1149.3,1031.79 h9.84; Top Pin Number "W23" at 1090.24,1051.48 h9.84; Top Pin Number "AB26" at 1145.37,992.42 h9.84; Top Pin Number "E24" at 1109.93,1327.06 h9.84; Top Pin Number "B24" at 1109.93,1386.12 h9.84; Top Pin Number "E22" at 1070.56,1327.06 h9.84; Top Pin Number "AF27" at 1165.06,913.68 h9.84; Top Pin Number "B23" at 1090.24,1386.12 h9.84; Top Pin Number "A23" at 1090.24,1405.81 h9.84; Top Pin Number "E19" at 1011.5,1327.06 h9.84; Top Pin Number "A20" at 1031.19,1405.81 h9.84; Top Pin Number "B20" at 1031.19,1386.12 h9.84; Top Pin Number "A22" at 1070.56,1405.81 h9.84; Top Pin Number "B21" at 1050.88,1386.12 h9.84; Top Pin Number "B22" at 1070.56,1386.12 h9.84; Top Pin Number "A21" at 1050.88,1405.81 h9.84; Top Pin Number "A19" at 1011.5,1405.81 h9.84; Top Pin Number "A12" at 873.71,1405.81 h9.84; Top Pin Number "A10" at 834.34,1405.81 h9.84; Top Pin Number "A13" at 893.4,1405.81 h9.84; Top Pin Number "A11" at 854.02,1405.81 h9.84; Top Pin Number "B9" at 818.6,1386.12 h9.84; Top Pin Number "B13" at 893.4,1386.12 h9.84; Top Pin Number "V22" at 1070.56,1071.16 h9.84; Top Pin Number "B12" at 873.71,1386.12 h9.84; Top Pin Number "A9" at 818.6,1405.81 h9.84; Top Pin Number "B11" at 854.02,1386.12 h9.84; Top Pin Number "B10" at 834.34,1386.12 h9.84; Top Pin Number "AG14" at 909.15,893.99 h9.84; Top Pin Number "AB1" at 657.17,992.42 h9.84; Top Pin Number "F1" at 661.11,1307.38 h9.84; Top Pin Number "D27" at 1168.99,1346.75 h9.84; Top Pin Number "C26" at 1149.3,1366.44 h9.84; Top Pin Number "B27" at 1168.99,1386.12 h9.84; Top Pin Number "B25" at 1129.62,1386.12 h9.84; Top Pin Number "A26" at 1149.3,1405.81 h9.84; Top Pin Number "K26" at 1149.3,1228.64 h9.84; Top Pin Number "L26" at 1149.3,1208.96 h9.84; Top Pin Number "AF24" at 1106,913.68 h9.84; Top Pin Number "AC26" at 1145.37,972.74 h9.84; Top Pin Number "AD26" at 1145.37,953.05 h9.84; Top Pin Number "AD27" at 1165.06,953.05 h9.84; Top Pin Number "AE26" at 1145.37,933.36 h9.84; Top Pin Number "J12" at 873.71,1248.32 h9.84; Top Pin Number "J13" at 893.4,1248.32 h9.84; Top Pin Number "L19" at 1011.5,1208.96 h9.84; Top Pin Number "M19" at 1011.5,1189.27 h9.84; Top Pin Number "T19" at 1011.5,1110.53 h9.84; Top Pin Number "U19" at 1011.5,1090.84 h9.84; Top Pin Number "V19" at 1011.5,1071.16 h9.84; Top Pin Number "W12" at 873.71,1051.48 h9.84; Top Pin Number "AB13" at 889.47,992.42 h9.84; Top Pin Number "V20" at 1031.19,1071.16 h9.84; Top Pin Number "L2" at 680.8,1208.96 h9.84; Top Pin Number "AD5" at 735.92,953.05 h9.84; Top Pin Number "U26" at 1149.3,1090.84 h9.84; Top Pin Number "R4" at 720.17,1130.22 h9.84; Top Pin Number "AG2" at 676.86,893.99 h9.84; Top Pin Number "N26" at 1149.3,1169.58 h9.84; Top Pin Number "U2" at 680.8,1090.84 h9.84; Top Pin Number "V2" at 680.8,1071.16 h9.84; Top Pin Number "A6" at 759.54,1405.81 h9.84; Top Pin Number "M26" at 1149.3,1189.27 h9.84; Top Pin Number "K4" at 720.17,1228.64 h9.84; Top Pin Number "AG4" at 716.23,893.99 h9.84; Top Pin Number "G2" at 680.8,1287.7 h9.84; Top Pin Number "AB5" at 735.92,992.42 h9.84; Top Pin Number "AC1" at 657.17,972.74 h9.84; Top Pin Number "G1" at 661.11,1287.7 h9.84; Top Pin Number "AG6" at 755.6,893.99 h9.84; Top Pin Number "AC4" at 716.23,972.74 h9.84; Top Pin Number "AD15" at 928.83,953.05 h9.84; Top Pin Number "D5" at 739.86,1346.75 h9.84; Top Pin Number "AB15" at 928.83,992.42 h9.84; Top Pin Number "H1" at 661.11,1268.01 h9.84; Top Pin Number "AD13" at 889.47,953.05 h9.84; Top Pin Number "N4" at 720.17,1169.58 h9.84; Top Pin Number "AC13" at 889.47,972.74 h9.84; Top Pin Number "W27" at 1168.99,1051.48 h9.84; Top Pin Number "E2" at 680.8,1327.06 h9.84; Top Pin Number "K2" at 680.8,1228.64 h9.84; Top Pin Number "AC14" at 909.15,972.74 h9.84; Top Pin Number "AC15" at 928.83,972.74 h9.84; Top Pin Number "K23" at 1090.24,1228.64 h9.84; Top Pin Number "K24" at 1109.93,1228.64 h9.84; Top Pin Number "AD23" at 1086.31,953.05 h9.84; Top Pin Number "P23" at 1090.24,1149.9 h9.84; Top Pin Number "AD22" at 1066.63,953.05 h9.84; Top Pin Number "N23" at 1090.24,1169.58 h9.84; Top Pin Number "B19" at 1011.5,1386.12 h9.84; Top Pin Number "D13" at 893.4,1346.75 h9.84; Top Pin Number "E13" at 893.4,1327.06 h9.84; Top Pin Number "N24" at 1109.93,1169.58 h9.84; Top Pin Number "D10" at 834.34,1346.75 h9.84; Top Pin Number "N22" at 1070.56,1169.58 h9.84; Top Pin Number "F9" at 818.6,1307.38 h9.84; Top Pin Number "E15" at 932.76,1327.06 h9.84; Top Pin Number "F13" at 893.4,1307.38 h9.84; Top Pin Number "K9" at 818.6,1228.64 h9.84; Top Pin Number "L9" at 818.6,1208.96 h9.84; Top Pin Number "M9" at 818.6,1189.27 h9.84; Top Pin Number "N9" at 818.6,1169.58 h9.84; Top Pin Number "R9" at 818.6,1130.22 h9.84; Top Pin Number "T9" at 818.6,1110.53 h9.84; Top Pin Number "U9" at 818.6,1090.84 h9.84; Top Pin Number "V9" at 818.6,1071.16 h9.84; Top Pin Number "K8" at 798.91,1228.64 h9.84; Top Pin Number "N17" at 972.14,1169.58 h9.84; Top Pin Number "N18" at 991.82,1169.58 h9.84; Top Pin Number "R17" at 972.14,1130.22 h9.84; Top Pin Number "R18" at 991.82,1130.22 h9.84; Top Pin Number "U18" at 991.82,1090.84 h9.84; Top Pin Number "K16" at 952.45,1228.64 h9.84; Top Pin Number "P16" at 952.45,1149.9 h9.84; Top Pin Number "U17" at 972.14,1090.84 h9.84; Top Pin Number "R24" at 1109.93,1130.22 h9.84; Top Pin Number "D18" at 991.82,1346.75 h9.84; Top Pin Number "E18" at 991.82,1327.06 h9.84; Top Pin Number "J23" at 1090.24,1248.32 h9.84; Top Pin Number "B18" at 991.82,1386.12 h9.84; Top Pin Number "A18" at 991.82,1405.81 h9.84; Top Pin Number "A17" at 972.14,1405.81 h9.84; Top Pin Number "B17" at 972.14,1386.12 h9.84; Top Pin Number "B15" at 932.76,1386.12 h9.84; Top Pin Number "A15" at 932.76,1405.81 h9.84; Top Pin Number "B14" at 913.08,1386.12 h9.84; Top Pin Number "A14" at 913.08,1405.81 h9.84; Top Pin Number "B16" at 952.45,1386.12 h9.84; Top Pin Number "A16" at 952.45,1405.81 h9.84; Top Pin Number "P27" at 1168.99,1149.9 h9.84; Top Pin Number "K27" at 1168.99,1228.64 h9.84; Top Pin Number "L27" at 1168.99,1208.96 h9.84; Top Pin Number "M27" at 1168.99,1189.27 h9.84; Top Pin Number "N27" at 1168.99,1169.58 h9.84; Top Pin Number "N2" at 680.8,1169.58 h9.84; Top Pin Number "J10" at 834.34,1248.32 h9.84; Top Pin Number "K13" at 893.4,1228.64 h9.84; Top Pin Number "L10" at 834.34,1208.96 h9.84; Top Pin Number "L11" at 854.02,1208.96 h9.84; Top Pin Number "L13" at 893.4,1208.96 h9.84; Top Pin Number "M13" at 893.4,1189.27 h9.84; Top Pin Number "N10" at 834.34,1169.58 h9.84; Top Pin Number "N11" at 854.02,1169.58 h9.84; Top Pin Number "P9" at 818.6,1149.9 h9.84; Top Pin Number "R10" at 834.34,1130.22 h9.84; Top Pin Number "R11" at 854.02,1130.22 h9.84; Top Pin Number "U11" at 854.02,1090.84 h9.84; Top Pin Number "W10" at 834.34,1051.48 h9.84; Top Pin Number "W11" at 854.02,1051.48 h9.84; Top Pin Number "K12" at 873.71,1228.64 h9.84; Top Pin Number "M14" at 913.08,1189.27 h9.84; Top Pin Number "V12" at 873.71,1071.16 h9.84; Top Pin Number "U10" at 834.34,1090.84 h9.84; Top Pin Number "P12" at 873.71,1149.9 h9.84; Top Pin Number "AG13" at 889.47,893.99 h9.84; Top Pin Number "AG12" at 869.78,893.99 h9.84; Top Pin Number "H27" at 1168.99,1268.01 h9.84; Top Pin Number "J27" at 1168.99,1248.32 h9.84; Top Pin Number "J22" at 1070.56,1248.32 h9.84; Top Pin Number "D15" at 932.76,1346.75 h9.84; Top Pin Number "F15" at 932.76,1307.38 h9.84; Top Pin Number "AB24" at 1106,992.42 h9.84; Top Pin Number "AB23" at 1086.31,992.42 h9.84; Top Pin Number "R22" at 1070.56,1130.22 h9.84; Top Pin Number "F19" at 1011.5,1307.38 h9.84; Top Pin Number "AG23" at 1086.31,893.99 h9.84; Top Pin Number "AB18" at 987.89,992.42 h9.84; Top Pin Number "J15" at 932.76,1248.32 h9.84; Top Pin Number "K22" at 1070.56,1228.64 h9.84; Top Pin Number "AF13" at 889.47,913.68 h9.84; Top Pin Number "J11" at 854.02,1248.32 h9.84; Top Pin Number "U27" at 1168.99,1090.84 h9.84; Top Pin Number "D26" at 1149.3,1346.75 h9.84; Top Pin Number "P26" at 1149.3,1149.9 h9.84; Top Pin Number "J14" at 913.08,1248.32 h9.84; Top Pin Number "AA27" at 1165.06,1012.1 h9.84; Top Pin Number "J18" at 991.82,1248.32 h9.84; Top Pin Number "F24" at 1109.93,1307.38 h9.84; Top Pin Number "F23" at 1090.24,1307.38 h9.84; Top Pin Number "F22" at 1070.56,1307.38 h9.84; Top Pin Number "F26" at 1149.3,1307.38 h9.84; Top Pin Number "J24" at 1109.93,1248.32 h9.84; Top Pin Number "J16" at 952.45,1248.32 h9.84; Top Pin Number "J17" at 972.14,1248.32 h9.84; Top Pin Number "K15" at 932.76,1228.64 h9.84; Top Pin Number "L15" at 932.76,1208.96 h9.84; Top Pin Number "L17" at 972.14,1208.96 h9.84; Top Pin Number "L18" at 991.82,1208.96 h9.84; Top Pin Number "M15" at 932.76,1189.27 h9.84; Top Pin Number "N13" at 893.4,1169.58 h9.84; Top Pin Number "N15" at 932.76,1169.58 h9.84; Top Pin Number "AE14" at 909.15,933.36 h9.84; Top Pin Number "AE15" at 928.83,933.36 h9.84; Top Pin Number "AE18" at 987.89,933.36 h9.84; Top Pin Number "AE19" at 1007.57,933.36 h9.84; Top Pin Number "AE22" at 1066.63,933.36 h9.84; Top Pin Number "AE23" at 1086.31,933.36 h9.84; Top Pin Number "AF3" at 696.54,913.68 h9.84; Top Pin Number "AG1" at 657.17,893.99 h9.84; Top Pin Number "AG27" at 1165.06,893.99 h9.84; Top Pin Number "J7" at 779.22,1248.32 h9.84; Top Pin Number "G10" at 834.34,1287.7 h9.84; Top Pin Number "G13" at 893.4,1287.7 h9.84; Top Pin Number "G15" at 932.76,1287.7 h9.84; Top Pin Number "G18" at 991.82,1287.7 h9.84; Top Pin Number "G19" at 1011.5,1287.7 h9.84; Top Pin Number "H18" at 991.82,1268.01 h9.84; Top Pin Number "J21" at 1050.88,1248.32 h9.84; Top Pin Number "K7" at 779.22,1228.64 h9.84; Top Pin Number "K20" at 1031.19,1228.64 h9.84; Top Pin Number "K21" at 1050.88,1228.64 h9.84; Top Pin Number "N7" at 779.22,1169.58 h9.84; Top Pin Number "N21" at 1050.88,1169.58 h9.84; Top Pin Number "P21" at 1050.88,1149.9 h9.84; Top Pin Number "R7" at 779.22,1130.22 h9.84; Top Pin Number "R20" at 1031.19,1130.22 h9.84; Top Pin Number "R21" at 1050.88,1130.22 h9.84; Top Pin Number "V7" at 779.22,1071.16 h9.84; Top Pin Number "V21" at 1050.88,1071.16 h9.84; Top Pin Number "W7" at 779.22,1051.48 h9.84; Top Pin Number "W21" at 1050.88,1051.48 h9.84; Top Pin Number "Y13" at 893.4,1031.79 h9.84; Top Pin Number "Y18" at 991.82,1031.79 h9.84; Top Pin Number "AA9" at 814.66,1012.1 h9.84; Top Pin Number "AA10" at 830.41,1012.1 h9.84; Top Pin Number "AA13" at 889.47,1012.1 h9.84; Top Pin Number "AA15" at 928.83,1012.1 h9.84; Top Pin Number "AA18" at 987.89,1012.1 h9.84; Top Pin Number "AA19" at 1007.57,1012.1 h9.84; Top Pin Number "M12" at 873.71,1189.27 h9.84; Top Pin Number "M16" at 952.45,1189.27 h9.84; Top Pin Number "T12" at 873.71,1110.53 h9.84; Top Pin Number "T16" at 952.45,1110.53 h9.84; Top Pin Number "A24" at 1109.93,1405.81 h9.84; Top Pin Number "R2" at 680.8,1130.22 h9.84; Top Pin Number "AB6" at 755.6,992.42 h9.84; Top Pin Number "W5" at 739.86,1051.48 h9.84; Top Pin Number "V5" at 739.86,1071.16 h9.84; Top Pin Number "T2" at 680.8,1110.53 h9.84; Top Pin Number "T1" at 661.11,1110.53 h9.84; Top Pin Number "R6" at 759.54,1130.22 h9.84; Top Pin Number "N1" at 661.11,1169.58 h9.84; Top Pin Number "M2" at 680.8,1189.27 h9.84; Top Pin Number "M1" at 661.11,1189.27 h9.84; Top Pin Number "N6" at 759.54,1169.58 h9.84; Top Pin Number "K5" at 739.86,1228.64 h9.84; Top Pin Number "J5" at 739.86,1248.32 h9.84; Top Pin Number "F6" at 759.54,1307.38 h9.84